# Altium PCB smallLCboard.PcbDoc (part 4 of 4)
Units mil, origin at the board's own origin, x right, y up, seen from the top; angles counter-clockwise.
Board outline 3761.03 x 3206.38 mil, 2 copper layers (Top Layer, Bottom Layer); 200 components, 0 nets, 2312 pads, 320 vias.
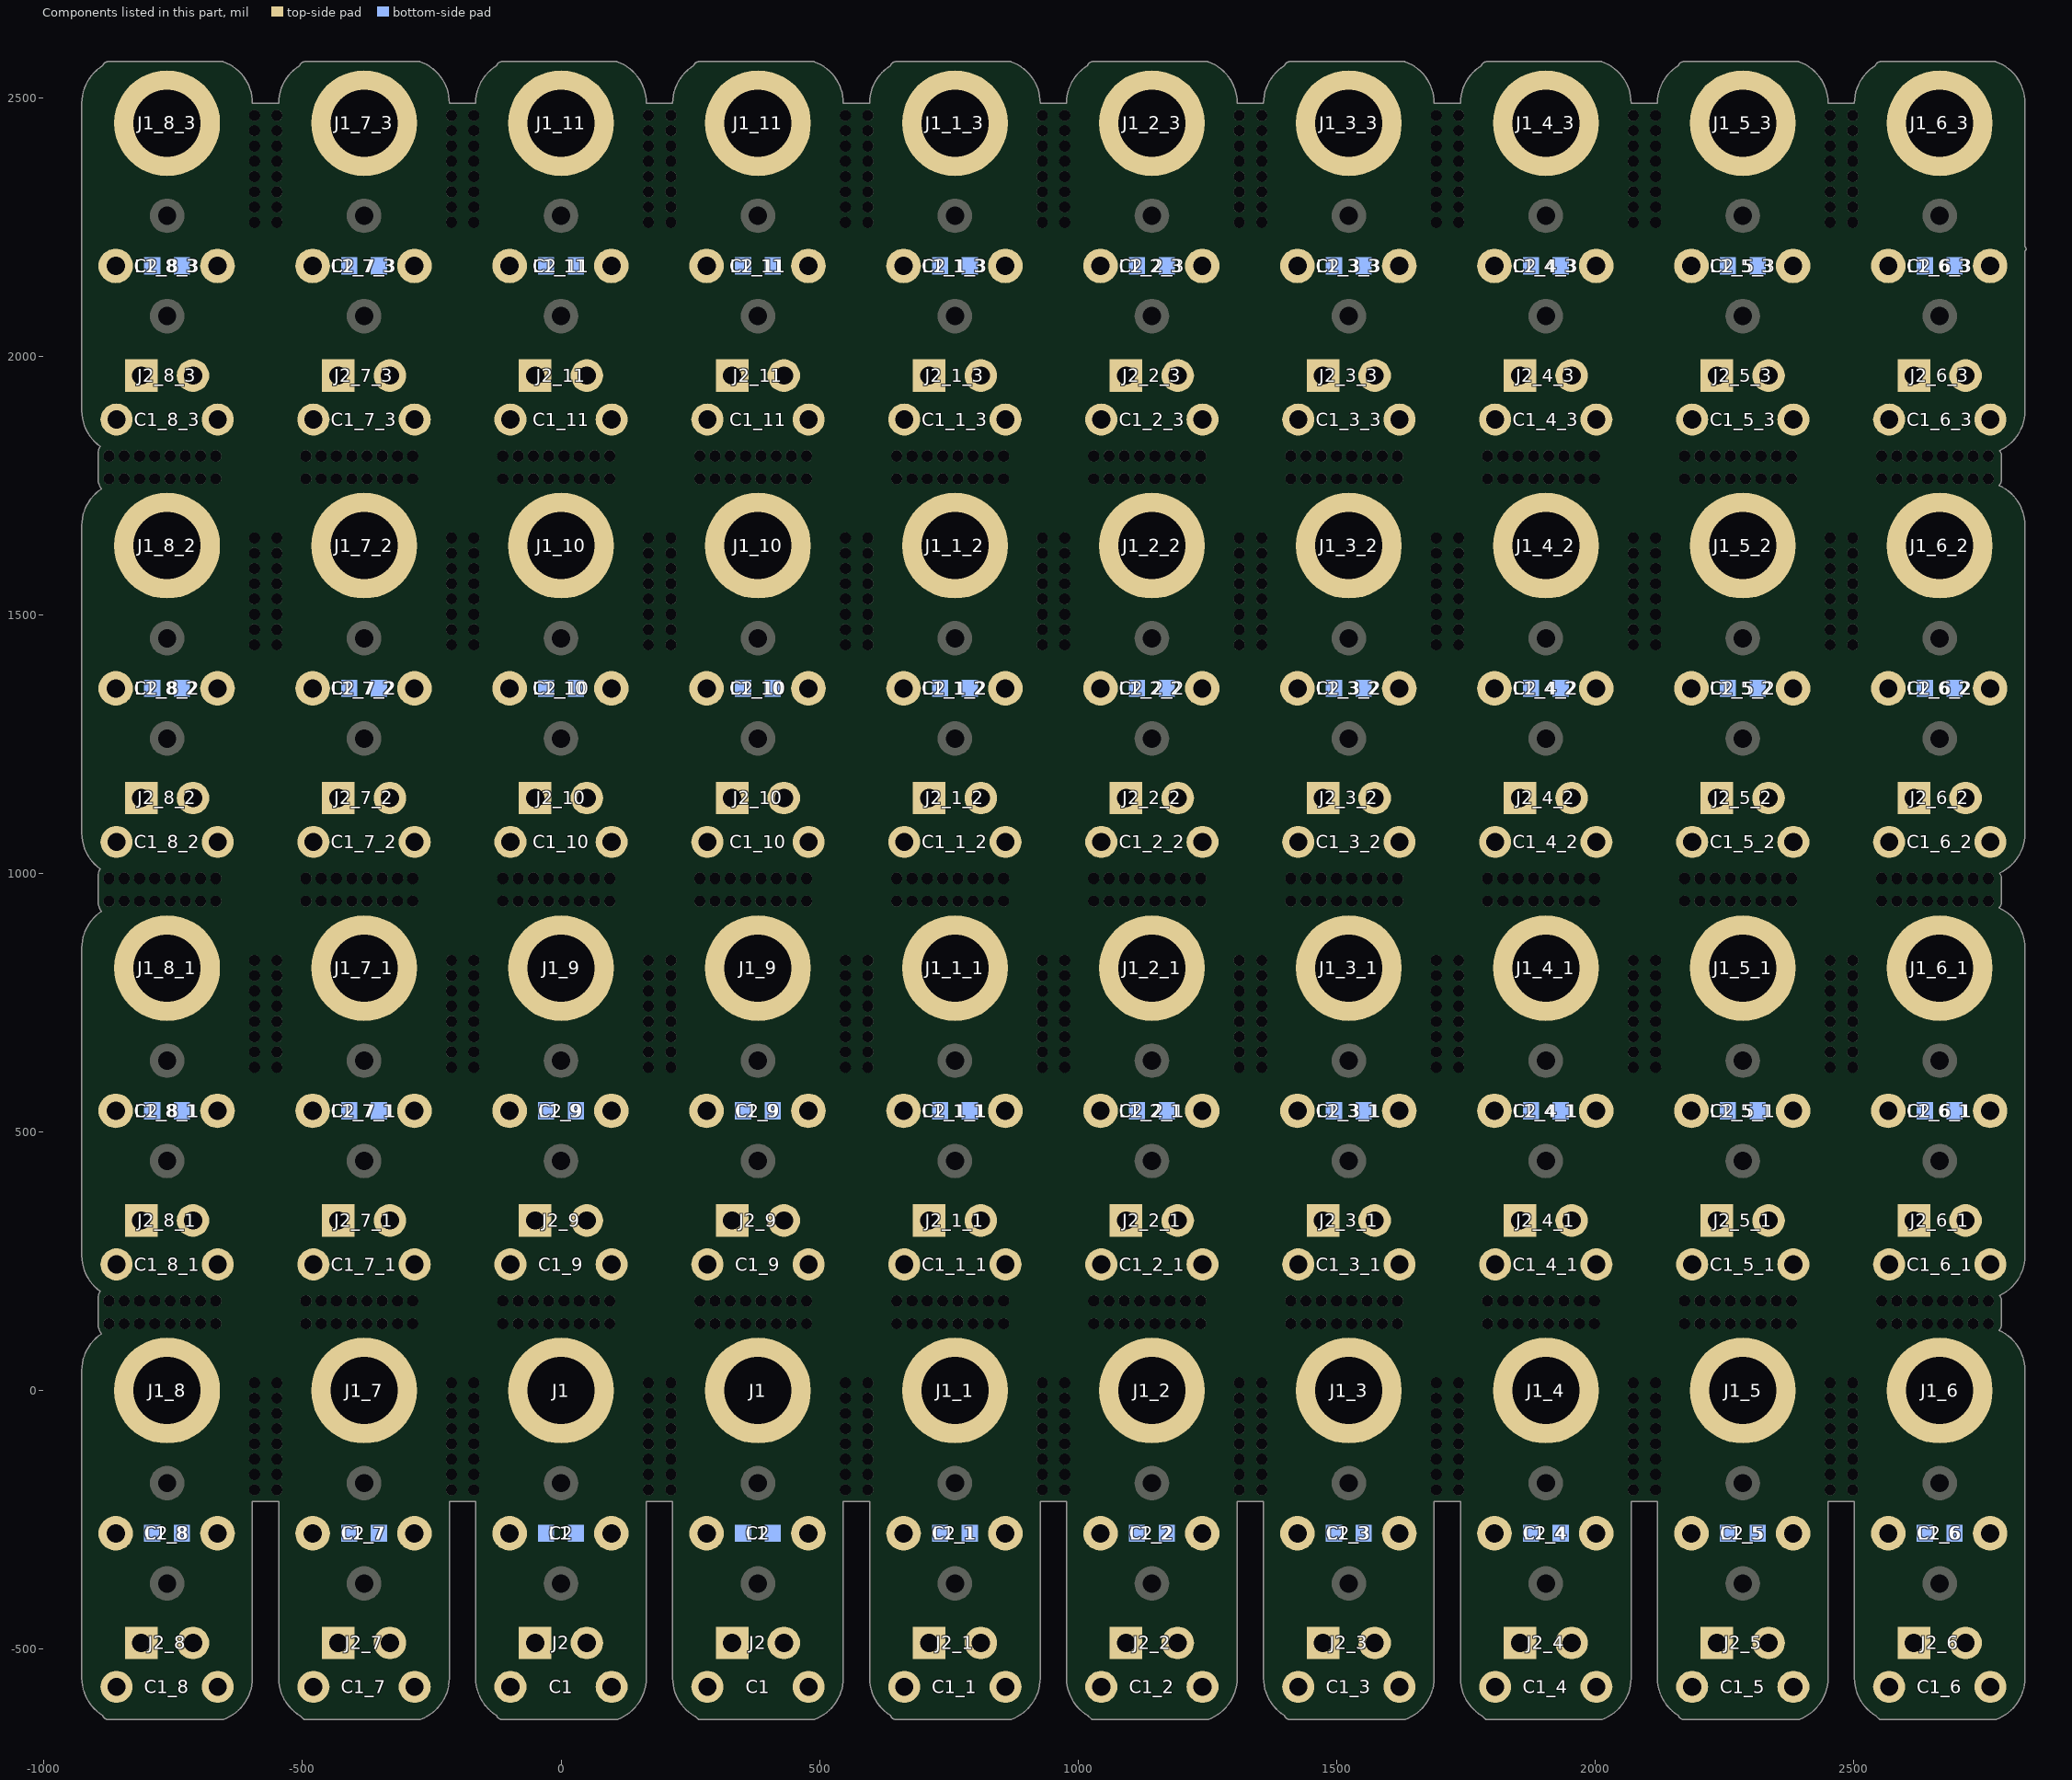
[diagram p4: the components of this part, seen from the top]

## Silkscreen, mask and mechanical layers (free items; w line width, h text height) (continued)
Bottom Paste:
  text "2020.07" at -910,2222 h60 r270
  text "2020.07" at -529,2222 h60 r270
  text "2020.07" at -148,2222 h60 r270
  text "2020.07" at 233,2222 h60 r270
  text "2020.07" at 614,2222 h60 r270
  text "2020.07" at 995,2222 h60 r270
  text "2020.07" at 1376,2222 h60 r270
  text "2020.07" at 1757,2222 h60 r270
  text "2020.07" at 2138,2222 h60 r270
  text "2020.07" at 2519,2222 h60 r270
  text "帝江" at -679,2221 h80 r270
  text "帝江" at -298,2221 h80 r270
  text "帝江" at 83,2221 h80 r270
  text "帝江" at 464,2221 h80 r270
  text "帝江" at 845,2221 h80 r270
  text "帝江" at 1226,2221 h80 r270
  text "帝江" at 1607,2221 h80 r270
  text "帝江" at 1988,2221 h80 r270
  text "帝江" at 2369,2221 h80 r270
  text "帝江" at 2750,2221 h80 r270
  text "2020.07" at -910,1405 h60 r270
  text "帝江" at -679,1404 h80 r270
  text "2020.07" at -529,1405 h60 r270
  text "帝江" at -298,1404 h80 r270
  text "2020.07" at -148,1405 h60 r270
  text "帝江" at 83,1404 h80 r270
  text "2020.07" at 233,1405 h60 r270
  text "帝江" at 464,1404 h80 r270
  text "2020.07" at 614,1405 h60 r270
  text "帝江" at 845,1404 h80 r270
  text "2020.07" at 995,1405 h60 r270
  text "帝江" at 1226,1404 h80 r270
  text "2020.07" at 1376,1405 h60 r270
  text "帝江" at 1607,1404 h80 r270
  text "2020.07" at 1757,1405 h60 r270
  text "帝江" at 1988,1404 h80 r270
  text "2020.07" at 2138,1405 h60 r270
  text "帝江" at 2369,1404 h80 r270
  text "2020.07" at 2519,1405 h60 r270
  text "帝江" at 2750,1404 h80 r270
  text "2020.07" at -910,588 h60 r270
  text "2020.07" at -529,588 h60 r270
  text "2020.07" at -148,588 h60 r270
  text "2020.07" at 233,588 h60 r270
  text "2020.07" at 614,588 h60 r270
  text "2020.07" at 995,588 h60 r270
  text "2020.07" at 1376,588 h60 r270
  text "2020.07" at 1757,588 h60 r270
  text "2020.07" at 2138,588 h60 r270
  text "2020.07" at 2519,588 h60 r270
  text "帝江" at -679,587 h80 r270
  text "帝江" at -298,587 h80 r270
  text "帝江" at 83,587 h80 r270
  text "帝江" at 464,587 h80 r270
  text "帝江" at 845,587 h80 r270
  text "帝江" at 1226,587 h80 r270
  text "帝江" at 1607,587 h80 r270
  text "帝江" at 1988,587 h80 r270
  text "帝江" at 2369,587 h80 r270
  text "帝江" at 2750,587 h80 r270
  text "2020.07" at -910,-229 h60 r270
  text "帝江" at -679,-230 h80 r270
  text "2020.07" at -529,-229 h60 r270
  text "帝江" at -298,-230 h80 r270
  text "2020.07" at -148,-229 h60 r270
  text "帝江" at 83,-230 h80 r270
  text "2020.07" at 233,-229 h60 r270
  text "帝江" at 464,-230 h80 r270
  text "2020.07" at 614,-229 h60 r270
  text "帝江" at 845,-230 h80 r270
  text "2020.07" at 995,-229 h60 r270
  text "帝江" at 1226,-230 h80 r270
  text "2020.07" at 1376,-229 h60 r270
  text "帝江" at 1607,-230 h80 r270
  text "2020.07" at 1757,-229 h60 r270
  text "帝江" at 1988,-230 h80 r270
  text "2020.07" at 2138,-229 h60 r270
  text "帝江" at 2369,-230 h80 r270
  text "2020.07" at 2519,-229 h60 r270
  text "帝江" at 2750,-230 h80 r270
Top Solder:
  text "CQUOT" at -656,2131 h60 r270
  text "CQUOT" at -275,2131 h60 r270
  text "CQUOT" at 106,2131 h60 r270
  text "CQUOT" at 487,2131 h60 r270
  text "CQUOT" at 868,2131 h60 r270
  text "CQUOT" at 1249,2131 h60 r270
  text "CQUOT" at 1630,2131 h60 r270
  text "CQUOT" at 2011,2131 h60 r270
  text "CQUOT" at 2392,2131 h60 r270
  text "CQUOT" at 2773,2131 h60 r270
  text "CQUOT" at -656,1314 h60 r270
  text "CQUOT" at -275,1314 h60 r270
  text "CQUOT" at 106,1314 h60 r270
  text "CQUOT" at 487,1314 h60 r270
  text "CQUOT" at 868,1314 h60 r270
  text "CQUOT" at 1249,1314 h60 r270
  text "CQUOT" at 1630,1314 h60 r270
  text "CQUOT" at 2011,1314 h60 r270
  text "CQUOT" at 2392,1314 h60 r270
  text "CQUOT" at 2773,1314 h60 r270
  text "CQUOT" at -656,497 h60 r270
  text "CQUOT" at -275,497 h60 r270
  text "CQUOT" at 106,497 h60 r270
  text "CQUOT" at 487,497 h60 r270
  text "CQUOT" at 868,497 h60 r270
  text "CQUOT" at 1249,497 h60 r270
  text "CQUOT" at 1630,497 h60 r270
  text "CQUOT" at 2011,497 h60 r270
  text "CQUOT" at 2392,497 h60 r270
  text "CQUOT" at 2773,497 h60 r270
  text "CQUOT" at -656,-320 h60 r270
  text "CQUOT" at -275,-320 h60 r270
  text "CQUOT" at 106,-320 h60 r270
  text "CQUOT" at 487,-320 h60 r270
  text "CQUOT" at 868,-320 h60 r270
  text "CQUOT" at 1249,-320 h60 r270
  text "CQUOT" at 1630,-320 h60 r270
  text "CQUOT" at 2011,-320 h60 r270
  text "CQUOT" at 2392,-320 h60 r270
  text "CQUOT" at 2773,-320 h60 r270
Bottom Solder:
  text "2020.07" at -910,2222 h60 r270
  text "2020.07" at -529,2222 h60 r270
  text "2020.07" at -148,2222 h60 r270
  text "2020.07" at 233,2222 h60 r270
  text "2020.07" at 614,2222 h60 r270
  text "2020.07" at 995,2222 h60 r270
  text "2020.07" at 1376,2222 h60 r270
  text "2020.07" at 1757,2222 h60 r270
  text "2020.07" at 2138,2222 h60 r270
  text "2020.07" at 2519,2222 h60 r270
  text "帝江" at -679,2221 h80 r270
  text "帝江" at -298,2221 h80 r270
  text "帝江" at 83,2221 h80 r270
  text "帝江" at 464,2221 h80 r270
  text "帝江" at 845,2221 h80 r270
  text "帝江" at 1226,2221 h80 r270
  text "帝江" at 1607,2221 h80 r270
  text "帝江" at 1988,2221 h80 r270
  text "帝江" at 2369,2221 h80 r270
  text "帝江" at 2750,2221 h80 r270
  text "2020.07" at -910,1405 h60 r270
  text "帝江" at -679,1404 h80 r270
  text "2020.07" at -529,1405 h60 r270
  text "帝江" at -298,1404 h80 r270
  text "2020.07" at -148,1405 h60 r270
  text "帝江" at 83,1404 h80 r270
  text "2020.07" at 233,1405 h60 r270
  text "帝江" at 464,1404 h80 r270
  text "2020.07" at 614,1405 h60 r270
  text "帝江" at 845,1404 h80 r270
  text "2020.07" at 995,1405 h60 r270
  text "帝江" at 1226,1404 h80 r270
  text "2020.07" at 1376,1405 h60 r270
  text "帝江" at 1607,1404 h80 r270
  text "2020.07" at 1757,1405 h60 r270
  text "帝江" at 1988,1404 h80 r270
  text "2020.07" at 2138,1405 h60 r270
  text "帝江" at 2369,1404 h80 r270
  text "2020.07" at 2519,1405 h60 r270
  text "帝江" at 2750,1404 h80 r270
  text "2020.07" at -910,588 h60 r270
  text "2020.07" at -529,588 h60 r270
  text "2020.07" at -148,588 h60 r270
  text "2020.07" at 233,588 h60 r270
  text "2020.07" at 614,588 h60 r270
  text "2020.07" at 995,588 h60 r270
  text "2020.07" at 1376,588 h60 r270
  text "2020.07" at 1757,588 h60 r270
  text "2020.07" at 2138,588 h60 r270
  text "2020.07" at 2519,588 h60 r270
  text "帝江" at -679,587 h80 r270
  text "帝江" at -298,587 h80 r270
  text "帝江" at 83,587 h80 r270
  text "帝江" at 464,587 h80 r270
  text "帝江" at 845,587 h80 r270
  text "帝江" at 1226,587 h80 r270
  text "帝江" at 1607,587 h80 r270
  text "帝江" at 1988,587 h80 r270
  text "帝江" at 2369,587 h80 r270
  text "帝江" at 2750,587 h80 r270
  text "2020.07" at -910,-229 h60 r270
  text "帝江" at -679,-230 h80 r270
  text "2020.07" at -529,-229 h60 r270
  text "帝江" at -298,-230 h80 r270
  text "2020.07" at -148,-229 h60 r270
  text "帝江" at 83,-230 h80 r270
  text "2020.07" at 233,-229 h60 r270
  text "帝江" at 464,-230 h80 r270
  text "2020.07" at 614,-229 h60 r270
  text "帝江" at 845,-230 h80 r270
  text "2020.07" at 995,-229 h60 r270
  text "帝江" at 1226,-230 h80 r270
  text "2020.07" at 1376,-229 h60 r270
  text "帝江" at 1607,-230 h80 r270
  text "2020.07" at 1757,-229 h60 r270
  text "帝江" at 1988,-230 h80 r270
  text "2020.07" at 2138,-229 h60 r270
  text "帝江" at 2369,-230 h80 r270
  text "2020.07" at 2519,-229 h60 r270
  text "帝江" at 2750,-230 h80 r270